# Altium PCB Radxa_E25_V1.4_20220119.PcbDoc (part 1 of 5)
Units mil, origin at the board's own origin, x right, y up, seen from the top; angles counter-clockwise.
Board outline 3106.31 x 2679.13 mil, 6 copper layers (Top, GND1, S1, Power, GND2, Bottom), stack 58.1 mil thick; 477 components, 352 nets, 1856 pads, 1064 vias.
Unrouted connection lines stored in the file: 297.
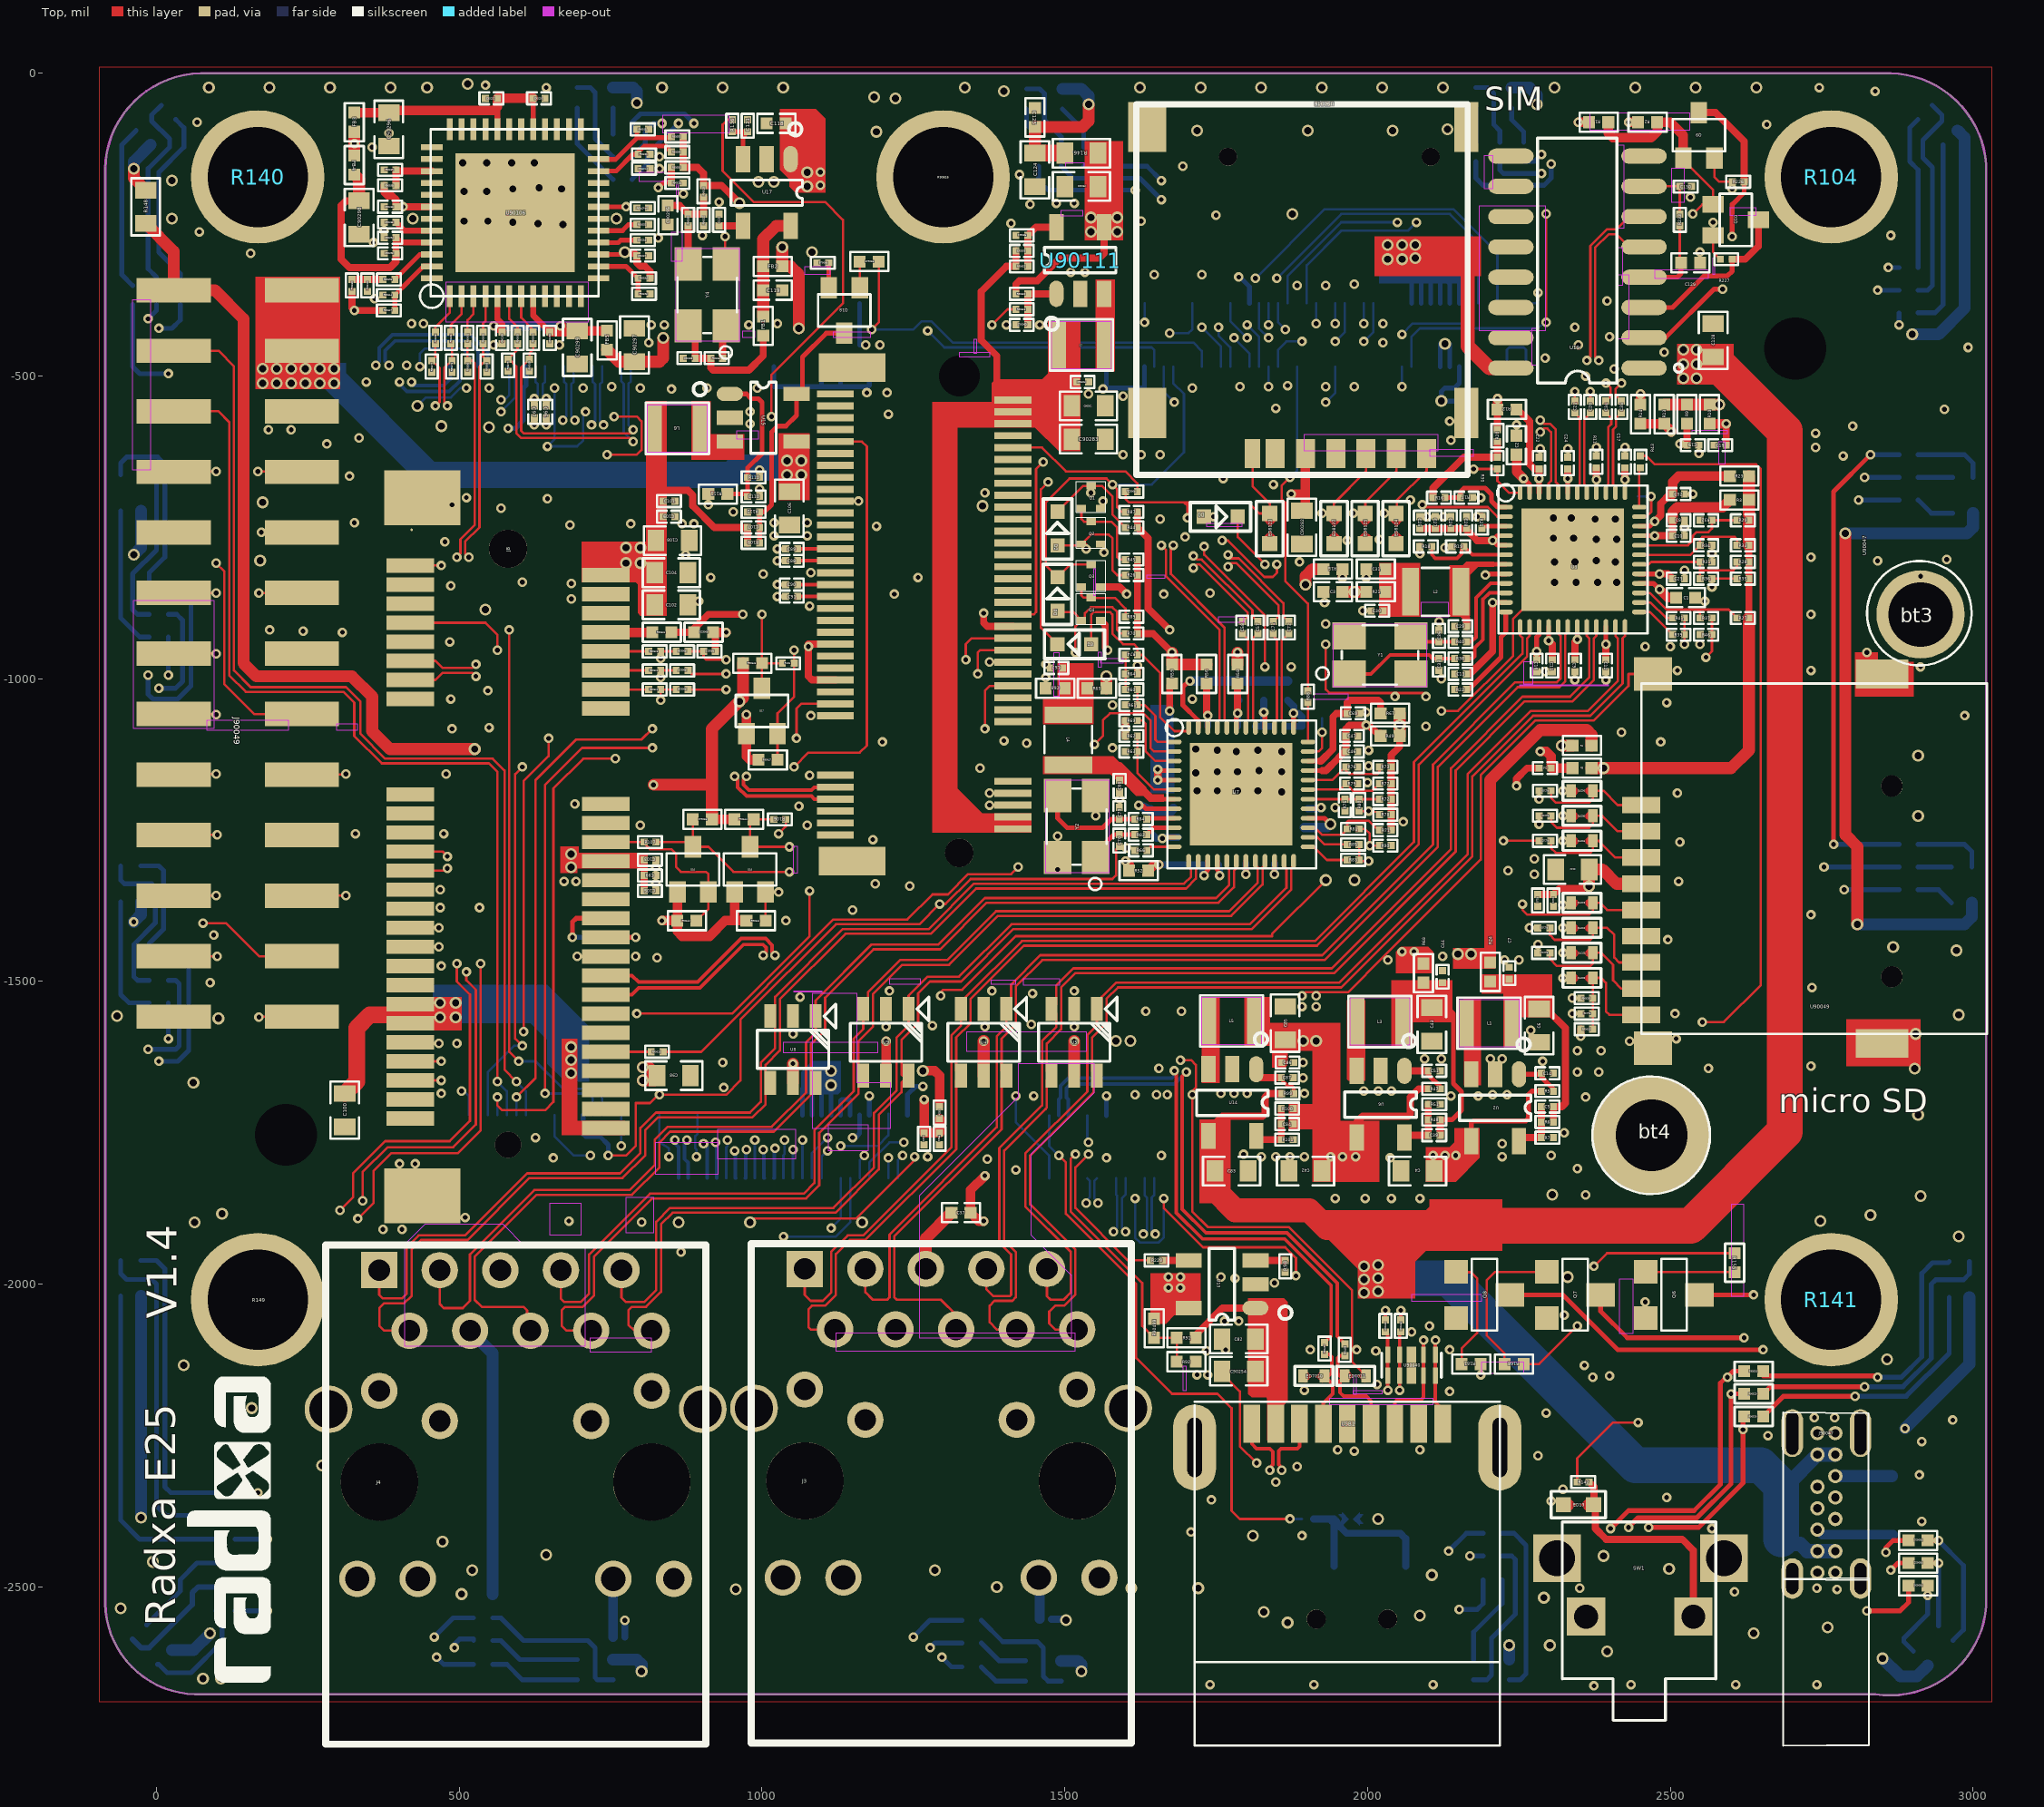
[diagram p0: Top view]
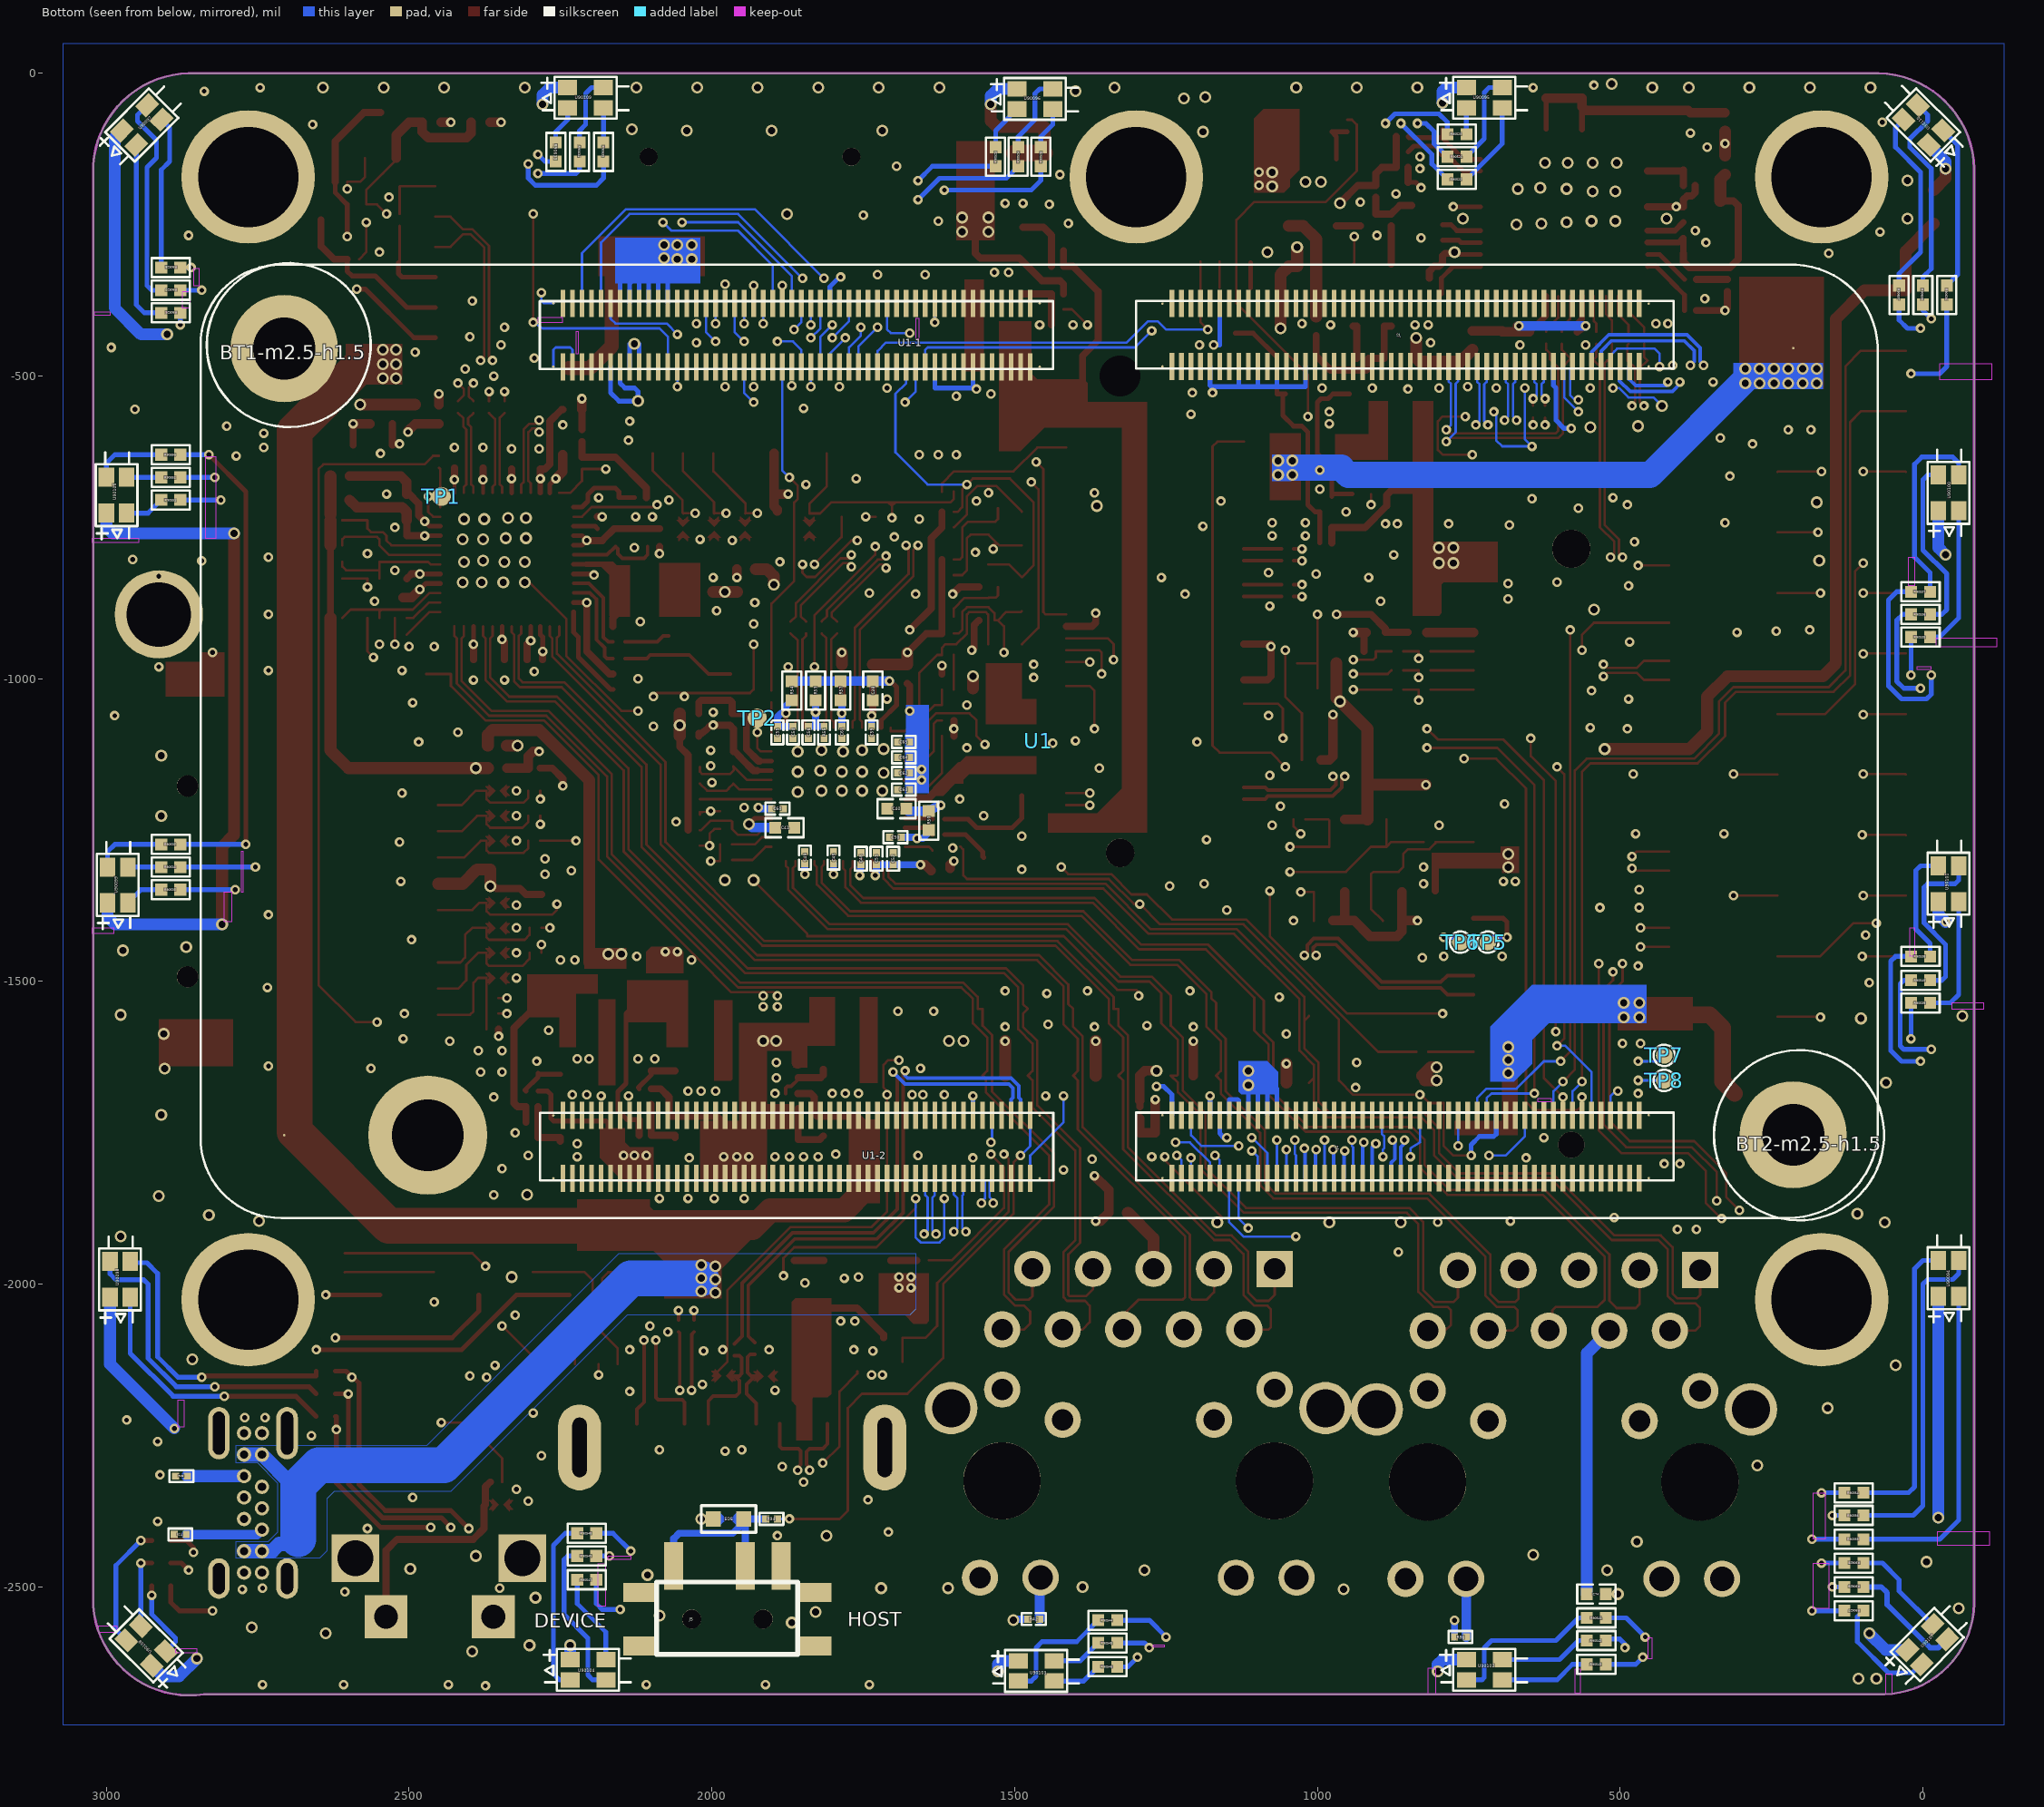
[diagram p1: Bottom view, seen from below]
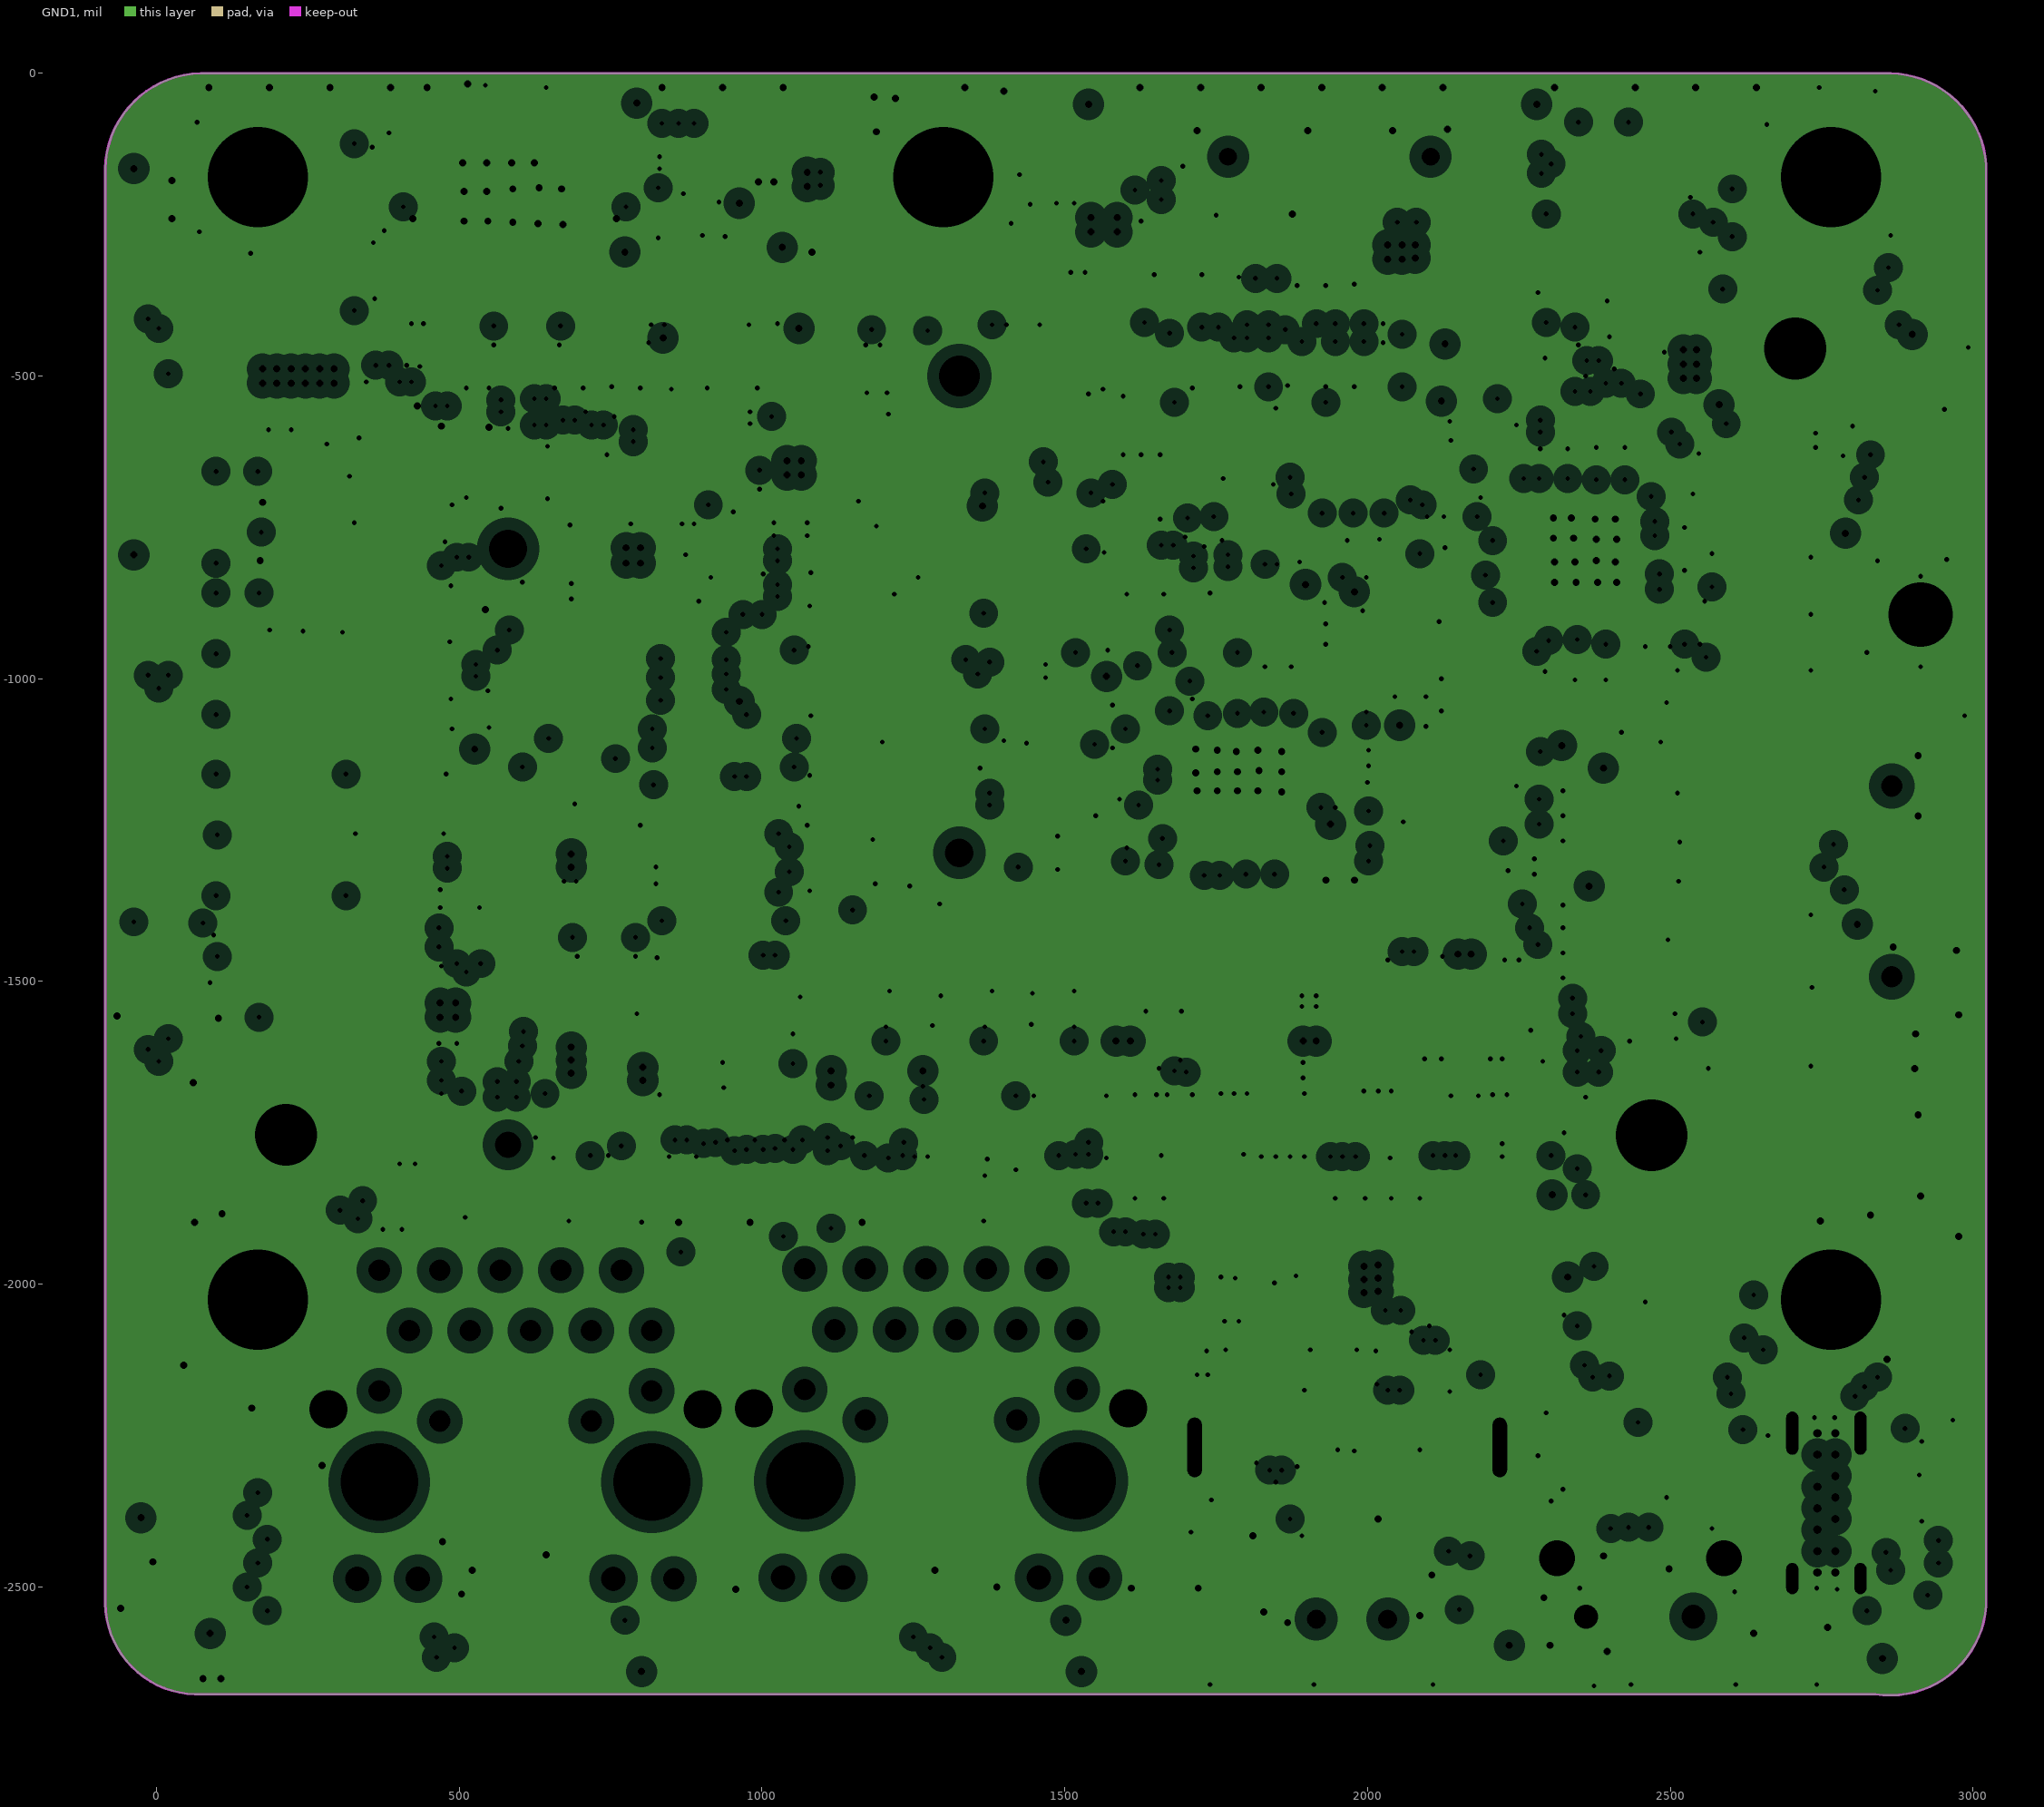
[diagram p2: GND1, clearances drawn from the general rule]
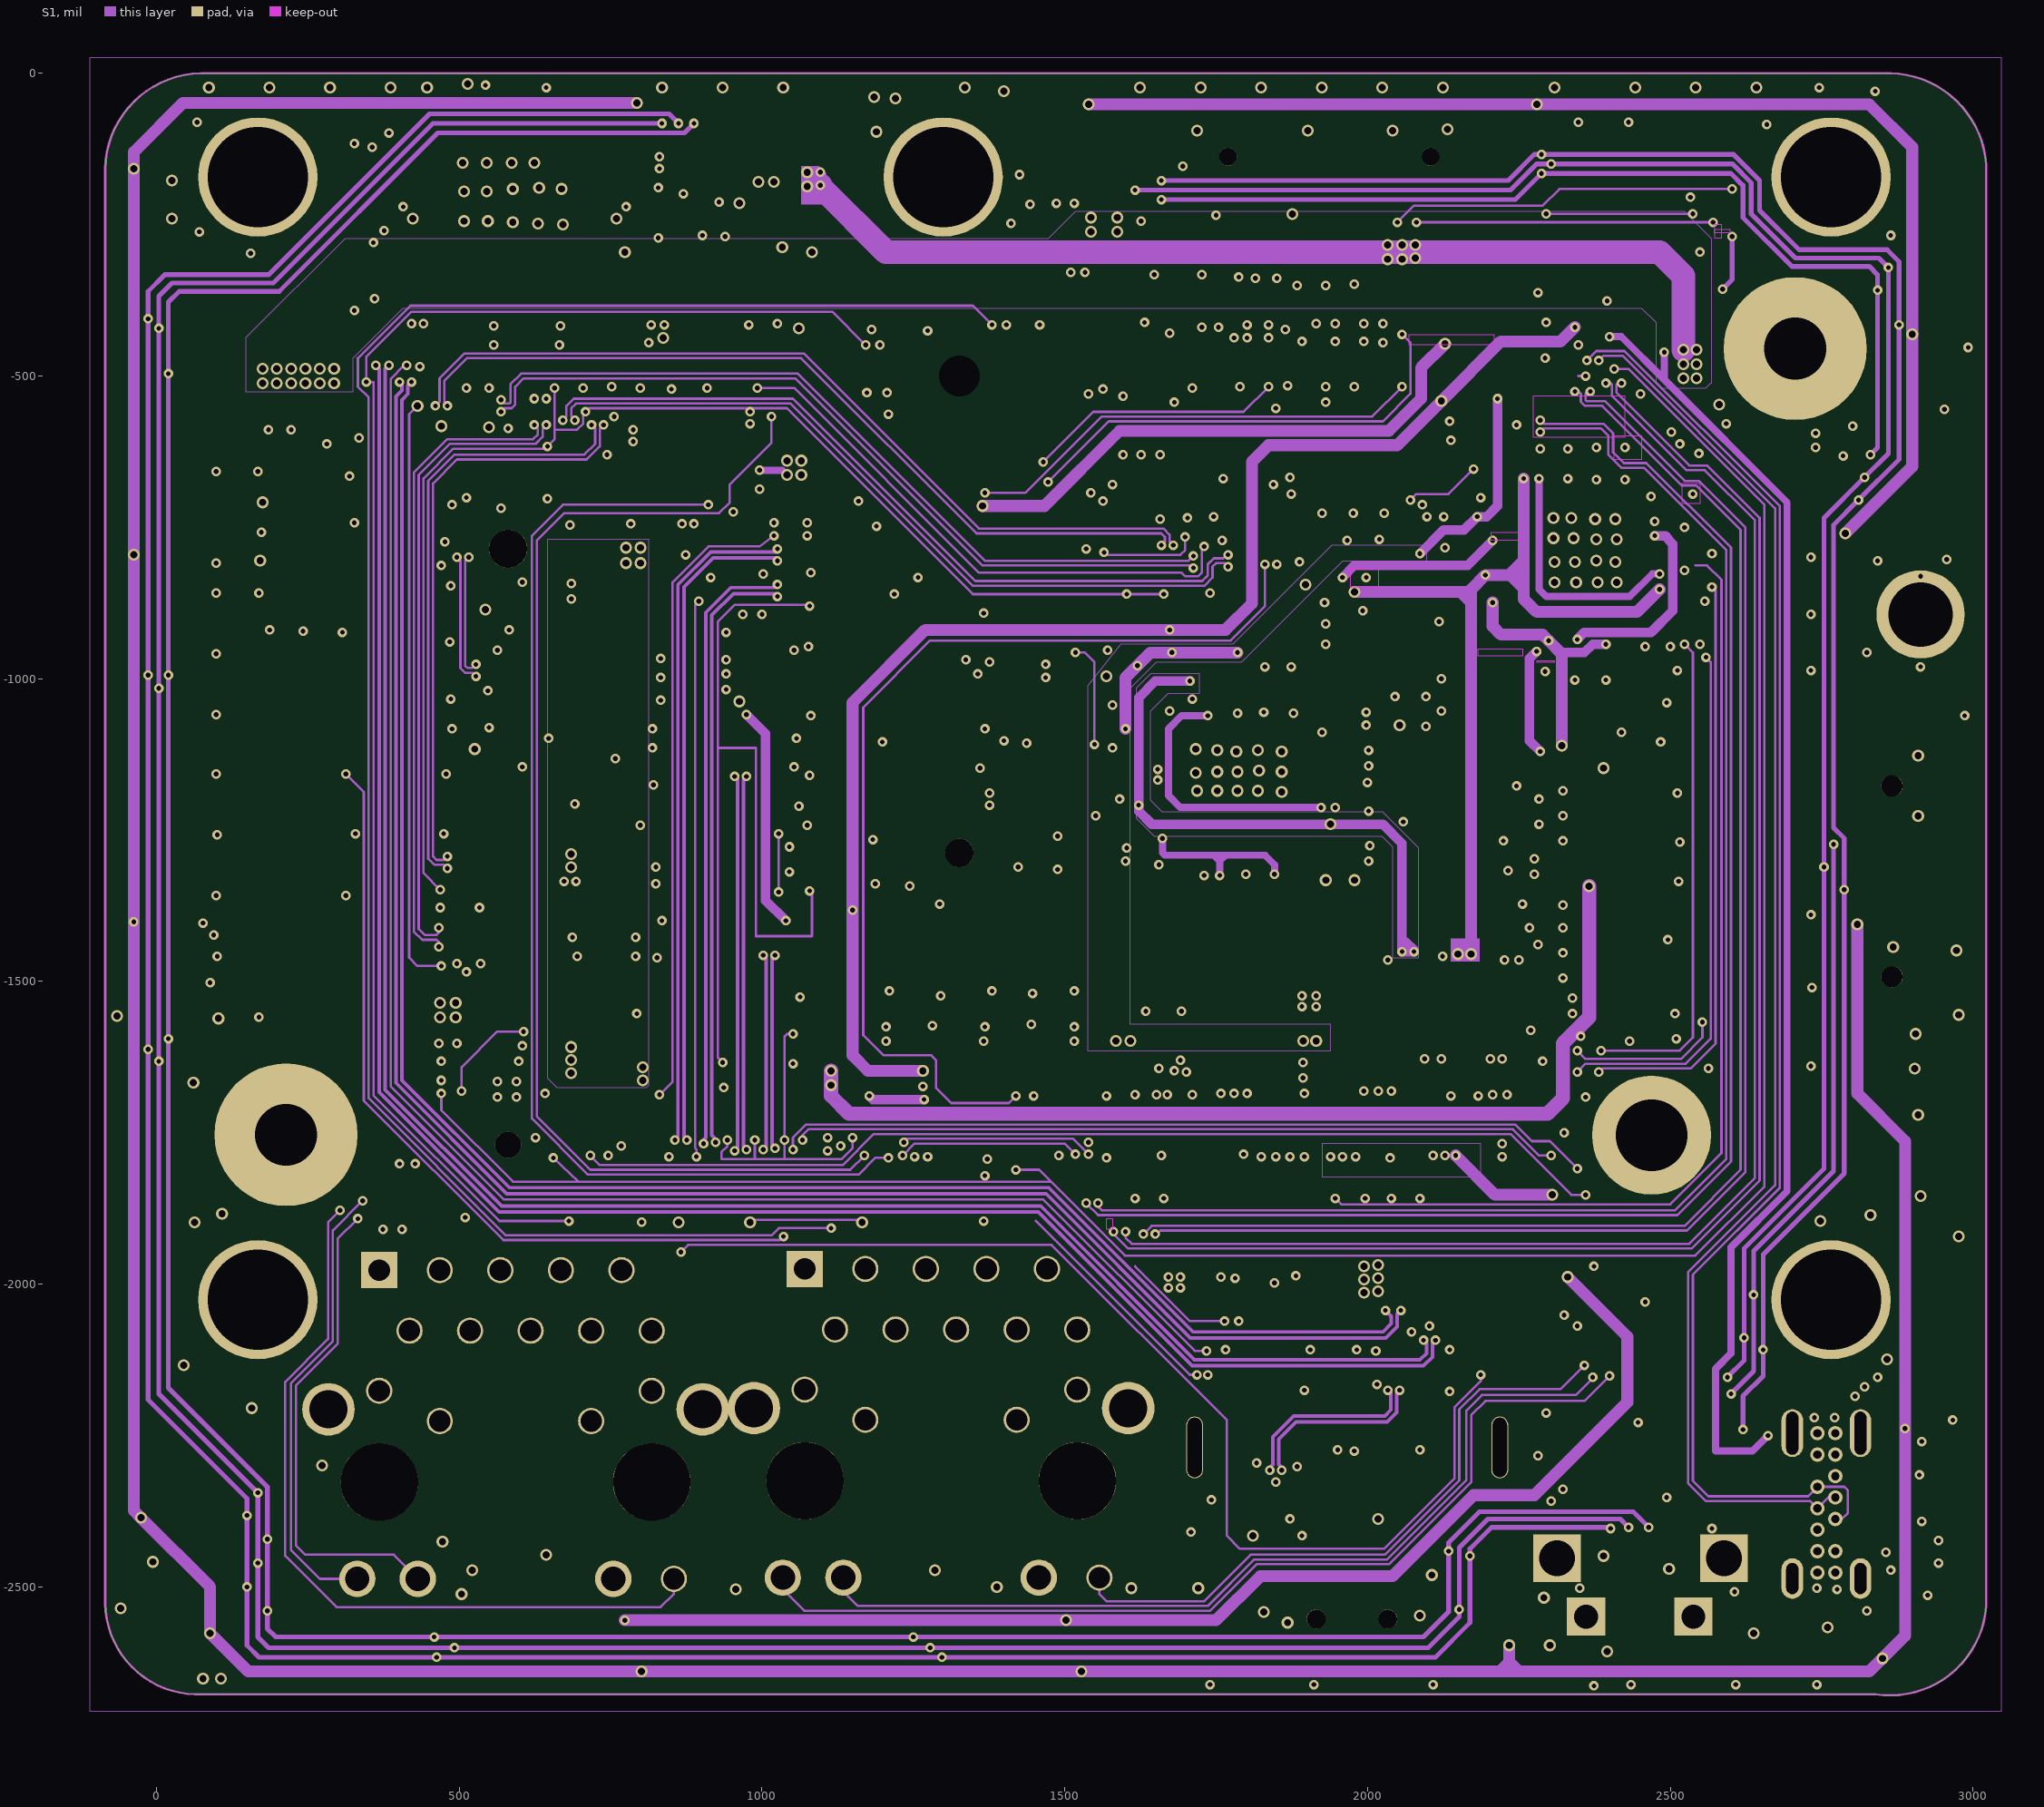
[diagram p3: S1]